# Altium PCB 测试板2.PcbDoc (part 2 of 2)
Units mm, origin at the board's own origin, x right, y up, seen from the top; angles counter-clockwise.
Board outline 90 x 100 mm, 2 copper layers (Top Layer, Bottom Layer); 63 components, 149 nets, 429 pads, 115 vias.
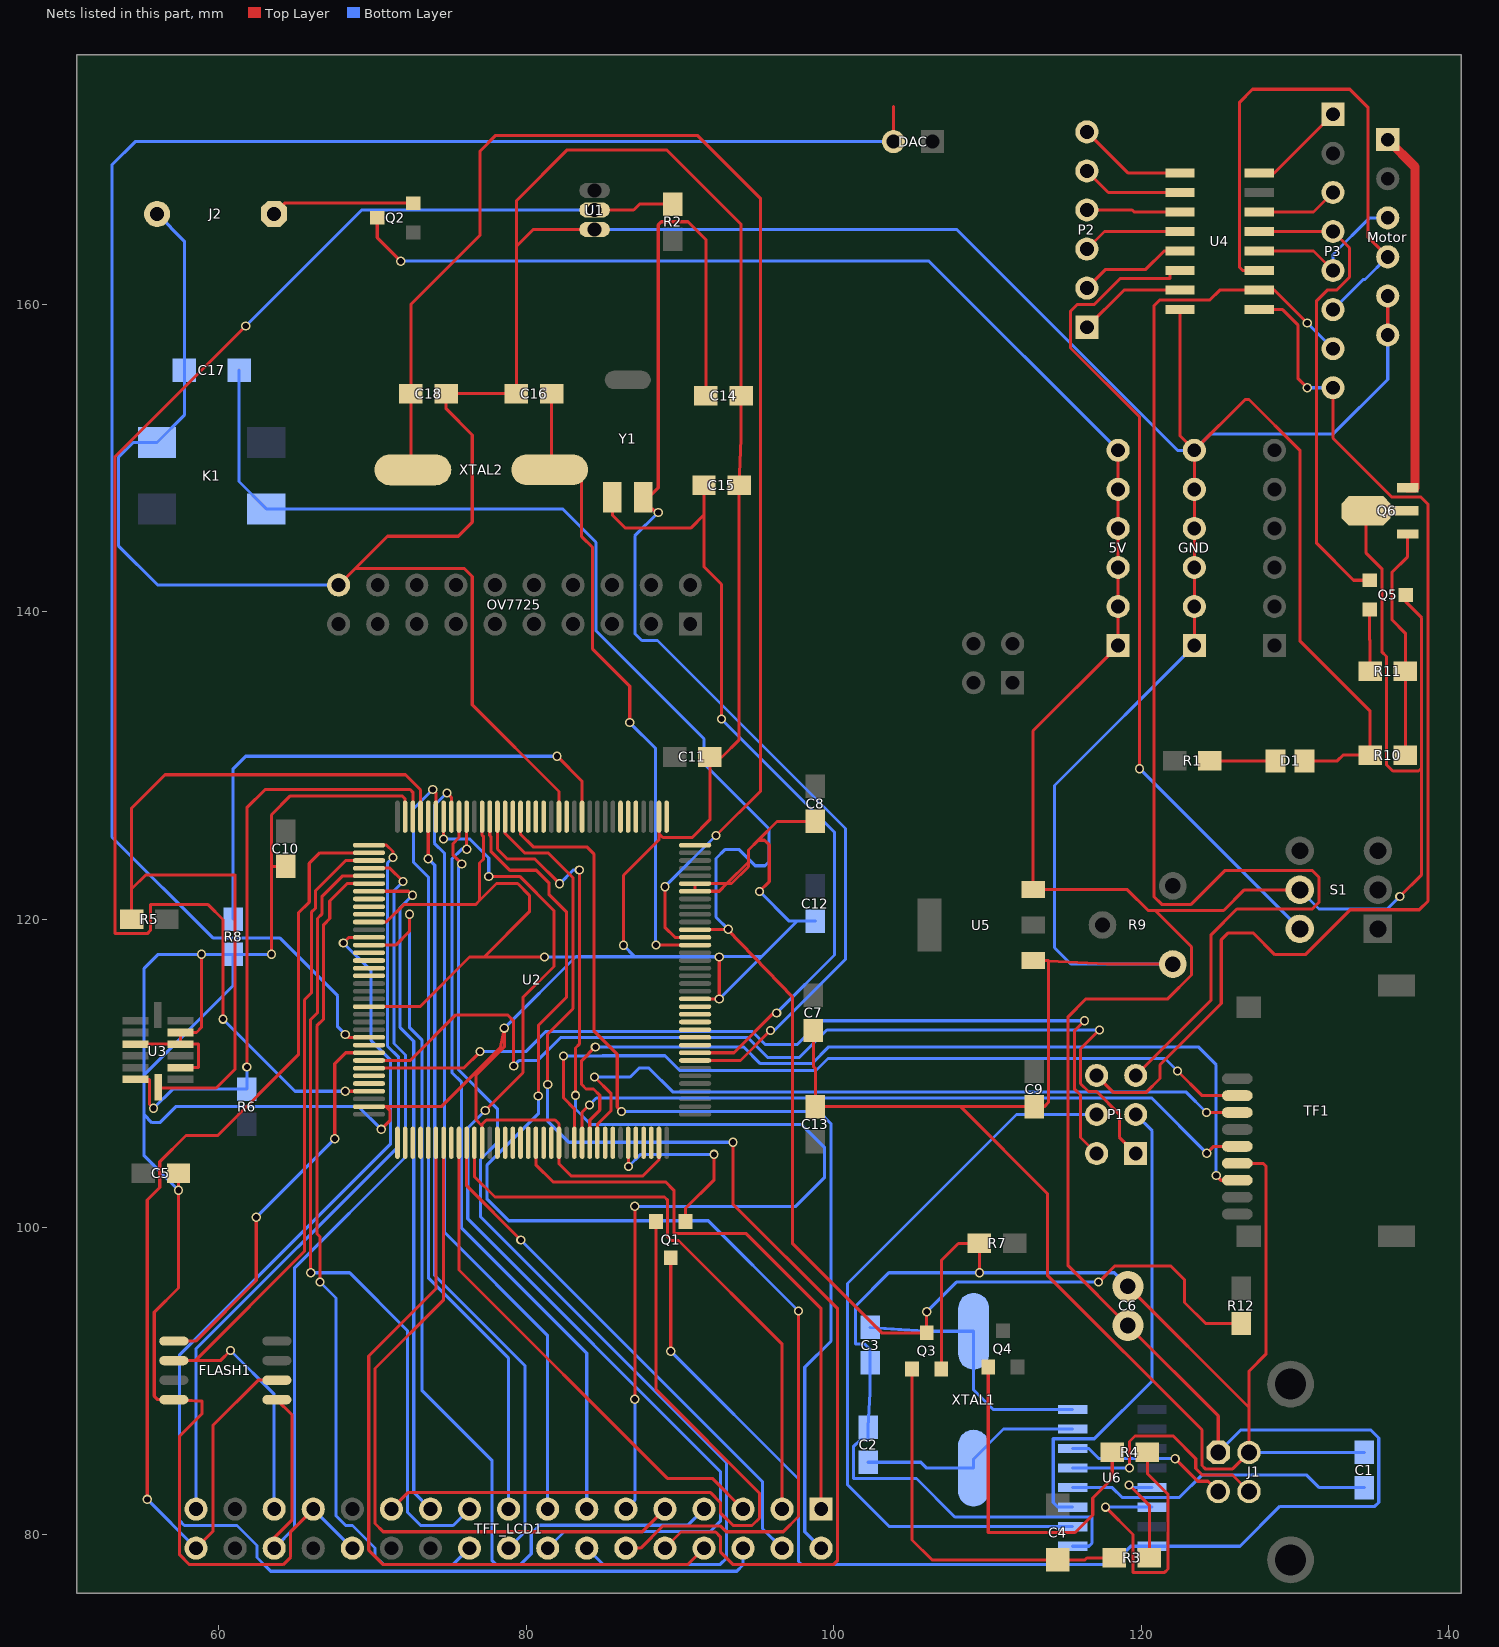
[diagram p2: the nets of this part, all layers, seen from the top]

## Via types
v1: diameter 0.6, hole 0.4, Top Layer to Bottom Layer, 112 vias
v2: diameter 1, hole 1, Top Layer to Bottom Layer, 2 vias
v3: diameter 0.7, hole 0.5, Top Layer to Bottom Layer, 1 vias

## Nets (pads, with @x,y where several pads share a name; then routed paths per layer and width w, separated by ;. In a path a pad name is that pad's centre, name@x,y a point inside that pad or via, vN(x,y) a via of type N, cw(c..) or ccw(c..) an arc to the next point about the centre after c; other vN are vias at no path point) (continued)
DGND: C1.2 C2.1 C3.1 C5.1 C6.2 C7.1 C8.1 C9.1 C10.1 C11.1 C12.1 C13.1 C14.1 C15.1 C16.1 C17.1 C18.1 D1.2 FLASH1.4 GND.1 GND.2 GND.3 GND.4 GND.5 GND.6 J1.4 J2.2 K1.4 Motor.5 Motor.6 OV7725.20 Q3.2 R7.1 R8.1 R9.3 R10.1 TF1.6 TFT_LCD1.26 TFT_LCD1.27 U1.1 U2.16 U2.30 U2.31 U2.38 U2.51 U2.61 U2.71 U2.83 U2.94 U2.107 U2.120 U2.130 U2.143 U3.2 U3.4 U3.5 U3.10 U4.8 U5.1 U6.1 | length 777.7
  Top Layer w0.2: U3.10@54.61,111.887 U3.4@57.531,111.887 ; C5.1@57.404,103.505 v1(57.404,102.387) 57.404,96.037 55.829,94.463 55.829,89.002 56.058,88.773 FLASH1.4@57.102,88.773 58.928,88.671 58.928,87.859 57.48,86.411 57.48,78.689 58.115,78.054 64.211,78.054 64.694,78.537 64.694,80.188 TFT_LCD1.27@66.167,81.661 ; U3.2@57.531,110.363 58.699,110.363 58.699,111.887 U3.4@57.531,111.887 ; v1(58.903,117.729) 58.903,112.979 58.572,112.649 U3.5@57.531,112.649 U3.4@57.531,111.887 ; v1(63.449,117.729) 63.449,123.444 ; C10.1@64.389,123.444 63.449,123.444 ; OV7725.20@67.818,141.732 68.885,142.799 ; U2.107@69.791,107.828 70.917,107.828 ; U2.94@69.791,114.328 73.101,114.328 76.324,117.551 77.279,117.551 ; U2.83@69.791,119.828 70.917,119.828 72.049,120.96 76.713,120.96 76.975,121.222 ; v1(70.587,106.35) 71.145,106.909 71.145,107.599 70.917,107.828 ; U2.71@72.141,126.678 72.141,127.82 71.933,128.028 64.68,128.028 63.449,126.797 63.449,123.444 ; U2.120@77.141,105.478 77.141,106.571 ; U2.61@77.141,126.678 77.141,125.476 77.241,125.376 77.241,123.926 76.975,123.66 76.975,121.222 ; v1(81.204,117.551) 77.279,117.551 ; U2.51@82.141,126.678 82.141,128.316 76.505,133.952 76.505,142.291 75.997,142.799 68.885,142.799 ; U1.1@84.455,164.846 80.467,164.846 79.375,163.754 ; v1(86.335,118.313) 86.335,122.865 88.641,125.171 88.641,125.578 ; U2.143@88.641,105.478 88.641,104.364 87.605,103.328 82.928,103.328 82.141,104.115 U2.130@82.141,105.478 82.141,106.708 81.89,106.959 77.419,106.959 77.141,106.681 77.141,106.571 ; U2.38@88.641,126.678 88.641,125.578 ; U2.16@90.991,114.828 v1(92.558,114.828) v1(92.558,117.551) ; v1(95.174,121.818) 95.809,122.453 95.809,124.841 95.504,125.146 95.098,125.146 ; C7.1@98.679,112.776 98.679,110.439 98.806,110.312 C13.1@98.806,107.823 105.918,107.823 108.255,107.823 ; C8.1@98.806,126.365 96.317,126.365 95.098,125.146 ; Q3.2@106.995,90.773 106.995,97.826 108.102,98.933 R7.1@109.474,98.933 v1(109.474,97.028) ; C6.2@119.126,96.139 127,88.265 ; R9.3@122.047,117.094 117.766,117.094 113.97,117.284 ; U4.8@122.52,159.639 122.52,151.419 GND.6@123.444,150.495 ; GND.1@123.444,137.795 GND.2@123.444,140.335 GND.3@123.444,142.875 GND.4@123.444,145.415 GND.5@123.444,147.955 GND.6@123.444,150.495 ; TF1.6@126.238,104.142 127.914,104.142 128.092,103.964 128.092,91.719 127,90.627 127,88.265 ; D1.2@130.617,130.302 132.74,130.302 133.121,130.683 R10.1@134.874,130.683 134.874,133.528 130.327,138.074 130.327,150.47 127,153.797 126.746,153.797 GND.6@123.444,150.495 ; Motor.6@136.017,157.988 Motor.5@136.017,160.528 ; 68.885,142.799 70.993,144.907 75.59,144.907 76.505,145.821 76.505,151.486 74.803,153.187 C18.1@74.803,154.178 C16.1@79.375,154.178 79.375,163.754 ; 70.917,107.828 74.494,107.828 78.354,111.688 v1(78.588,112.928) 78.588,111.709 76.743,109.865 76.743,106.969 77.141,106.571 ; 76.975,121.222 78.08,122.326 79.456,122.326 80.216,121.566 80.216,120.489 77.279,117.551 ; 79.375,163.754 79.375,166.726 82.677,170.028 89.129,170.028 93.98,165.176 C14.1@93.98,154.051 93.98,151.257 C15.1@93.853,148.209 93.853,131.674 92.735,130.556 C11.1@91.948,130.556 91.948,126.467 90.805,125.324 88.895,125.324 88.641,125.578 ; 93.058,122.328 92.558,121.828 U2.30@90.991,121.828 U2.31@90.991,122.328 93.058,122.328 ; 93.058,122.328 94.463,123.733 ; 93.058,122.328 93.36,122.328 94.463,123.43 94.463,123.733 ; 94.463,123.733 94.463,124.511 95.098,125.146 ; 108.255,107.823 113.894,102.184 113.894,96.862 123.938,86.817 123.938,84.499 124.155,84.282 125.938,84.282 J1.4@127,85.344 127,88.265 ; 108.255,107.823 C9.1@113.03,107.823 113.69,107.823 113.97,108.102 113.97,117.284 ; 113.97,117.284 U5.1@112.976,117.334 113.97,117.334 113.97,117.284
  Bottom Layer w0.2: J2.2@56.017,165.862 57.785,164.094 C17.1@57.785,155.702 57.785,152.781 K1.4@56.007,151.003 54.458,151.003 53.492,150.038 53.492,144.297 56.058,141.732 OV7725.20@67.818,141.732 ; v1(57.404,102.387) 55.169,104.623 55.169,107.29 ; v1(63.449,117.729) R8.1@60.96,117.729 ; TFT_LCD1.27@66.167,81.661 TFT_LCD1.26@68.707,79.121 ; v1(70.587,106.35) 69.113,107.823 57.226,107.823 56.185,106.782 55.677,106.782 55.169,107.29 ; v1(78.588,112.928) 83.21,117.551 ; v1(81.204,117.551) 83.21,117.551 ; U1.1@84.455,164.846 108.001,164.846 122.352,150.495 GND.6@123.444,150.495 124.511,151.562 132.486,151.562 136.017,155.092 Motor.6@136.017,157.988 ; v1(86.335,118.313) 87.071,117.577 ; v1(92.558,114.828) 95.306,117.577 ; v1(92.558,117.551) 83.21,117.551 ; v1(95.174,121.818) 97.104,119.888 97.618,119.888 ; C12.1@98.806,119.888 97.618,119.888 ; U6.1@115.535,79.248 116.586,79.248 116.789,79.451 116.789,81.153 107.874,81.153 105.38,83.647 101.3,83.647 101.3,85.75 101.706,86.157 102.235,86.157 C2.1@102.235,86.995 102.362,89.23 C3.1@102.362,91.186 102.362,92.05 102.006,92.405 101.427,92.405 101.427,94.869 103.586,97.028 v1(109.474,97.028) 118.237,97.028 C6.2@119.126,96.139 ; R9.3@122.047,117.094 115.418,117.094 114.351,118.161 114.351,128.702 GND.1@123.444,137.795 ; J1.4@127,85.344 C1.2@134.493,85.344 ; 55.169,107.29 55.169,109.906 ; 55.169,109.906 60.96,115.697 R8.1@60.96,117.729 ; 55.169,109.906 55.169,116.815 56.083,117.729 v1(58.903,117.729) R8.1@60.96,117.729 ; 83.21,117.551 83.236,117.577 87.071,117.577 ; 87.071,117.577 92.558,117.577 95.306,117.577 ; 95.306,117.577 97.618,119.888
DS18B20_DATA: R2.2 U1.2 U2.105 | length 101.1
  Top Layer w0.2: v1(60.3,113.513) 60.3,119.99 59.334,120.955 55.575,120.955 55.575,119.278 55.372,119.075 53.289,119.075 53.289,150.089 v1(61.773,158.572) ; v1(68.25,108.828) U2.105@69.791,108.828 ; U1.2@84.455,166.116 86.995,166.116 87.376,166.497 R2.2@89.535,166.497
  Bottom Layer w0.2: v1(60.3,113.513) 64.984,108.828 v1(68.25,108.828) ; v1(61.773,158.572) 69.317,166.116 U1.2@84.455,166.116
DTR: R3.2 U6.13 | length 6.9
  Top Layer w0.2: v1(119.202,83.236) 120.523,81.915 R3.2@120.523,78.486
  Bottom Layer w0.2: v1(119.202,83.236) 119.38,83.058 U6.13@120.685,83.058
FLASH_CS: FLASH1.1 U2.100 | length 25.7
  Top Layer w0.2: FLASH1.1@57.102,92.583 58.522,92.583 62.459,96.52 v1(62.459,100.635) ; v1(67.564,105.74) 67.564,110.617 68.275,111.328 U2.100@69.791,111.328
  Bottom Layer w0.2: v1(62.459,100.635) v1(67.564,105.74)
FSMC_A0: U2.10
FSMC_A1: U2.11
FSMC_A2: U2.12
FSMC_A3: U2.13
FSMC_A4: U2.14
FSMC_A5: U2.15
FSMC_A6: U2.50
FSMC_A7: U2.53
FSMC_A8: U2.54
FSMC_A9: U2.55
FSMC_A10: TFT_LCD1.2 U2.56 | length 66.6
  Top Layer w0.2: U2.56@79.641,126.678 79.641,125.53 80.458,124.713 83.948,124.713 84.404,124.257 84.404,112.751 85.931,111.224 85.931,107.795 v1(86.208,107.518)
  Bottom Layer w0.2: v1(86.208,107.518) 99.022,107.518 99.822,106.718 99.822,92.583 98.12,90.881 98.12,80.188 TFT_LCD1.2@99.187,79.121
FSMC_A11: U2.57
FSMC_A12: U2.87
FSMC_A13: U2.88
FSMC_A14: U2.89
FSMC_A15: U2.90
FSMC_A16: U2.80
FSMC_A17: U2.81
FSMC_A18: U2.82
FSMC_CLK: TFT_LCD1.5 U2.117 | length 33.2
  Top Layer w0.2: U2.117@75.641,105.478 75.641,97.206 89.183,83.664 92.104,83.664 TFT_LCD1.5@94.107,81.661
FSMC_D0: TFT_LCD1.6 U2.85 | length 86
  Top Layer w0.2: v1(68.123,118.466) 68.485,118.828 U2.85@69.791,118.828
  Bottom Layer w0.2: v1(68.123,118.466) 69.926,116.662 69.926,112.116 71.196,110.846 71.196,105.41 57.48,91.694 57.48,80.899 57.785,80.594 61.214,80.594 62.509,79.299 62.509,78.511 63.398,77.622 93.701,77.622 94.107,78.029 TFT_LCD1.6@94.107,79.121
FSMC_D1: TFT_LCD1.7 U2.86 | length 64.5
  Top Layer w0.2: U2.86@69.791,118.328 71.526,118.328 72.415,119.217 v1(72.415,120.331)
  Bottom Layer w0.2: v1(72.415,120.331) 72.412,120.328 72.412,112.982 73.228,112.166 73.228,89.383 77.8,84.811 77.8,78.3 78.029,78.071 79.654,78.071 80.34,78.757 80.34,80.078 80.874,80.611 90.517,80.611 TFT_LCD1.7@91.567,81.661
FSMC_D2: TFT_LCD1.8 U2.114 | length 50.9
  Top Layer w0.2: U2.114@74.141,105.478 74.141,95.985 69.774,91.618 69.774,78.994 70.714,78.054 90.5,78.054 TFT_LCD1.8@91.567,79.121
FSMC_D3: TFT_LCD1.9 U2.115 | length 46.3
  Top Layer w0.2: U2.115@74.641,105.478 74.641,95.266 70.18,90.805 70.18,80.721 70.714,80.188 87.554,80.188 TFT_LCD1.9@89.027,81.661
FSMC_D4: TFT_LCD1.10 U2.58 | length 79
  Top Layer w0.2: U2.58@78.641,126.678 78.641,125.578 79.906,124.313 81.451,124.313 83.058,122.706 83.058,114.198 81.407,112.547 v1(81.407,109.271) ; TFT_LCD1.10@89.027,79.121 90.077,80.171 92.329,80.171 92.634,79.866 92.634,78.892 93.472,78.054 99.974,78.054 100.254,78.334 100.254,94.684 93.447,101.491 v1(93.447,105.512)
  Bottom Layer w0.2: v1(81.407,109.271) 81.407,106.883 82.779,105.512 v1(93.447,105.512)
FSMC_D5: TFT_LCD1.11 U2.59 | length 76.6
  Top Layer w0.2: U2.59@78.141,126.678 78.141,124.562 78.791,123.913 80.583,123.913 v1(82.182,122.314) ; v1(83.21,108.56) 83.21,111.633 83.464,111.887 v1(83.464,123.215) ; v1(87.071,88.798) v1(87.071,101.346)
  Bottom Layer w0.2: v1(82.182,122.314) 83.083,123.215 v1(83.464,123.215) ; v1(83.21,108.56) 83.21,107.671 84.226,106.655 97.917,106.655 99.416,105.156 99.416,103.226 97.536,101.346 v1(87.071,101.346) ; TFT_LCD1.11@86.487,81.661 87.071,82.245 v1(87.071,88.798)
FSMC_D6: TFT_LCD1.12 U2.60 | length 79.1
  Top Layer w0.2: U2.60@77.641,126.678 77.641,125.451 77.711,125.38 77.711,124.427 78.944,123.193 80.668,123.193 81.503,122.358 81.503,121.602 82.641,120.464 82.641,114.95 80.797,113.106 v1(80.797,108.509) ; TFT_LCD1.12@86.487,79.121 87.452,79.121 88.902,80.571 92.634,80.571 93.017,80.188 96.723,80.188 97.714,81.178 v1(97.714,94.539)
  Bottom Layer w0.2: v1(80.797,108.509) 80.797,107.366 77.47,104.038 77.47,101.803 78.867,100.406 91.846,100.406 v1(97.714,94.539)
FSMC_D7: TFT_LCD1.13 U2.63 | length 49.2
  Top Layer w0.2: v1(76.141,124.562) U2.63@76.141,126.678
  Bottom Layer w0.2: v1(76.141,124.562) 75.822,124.562 75.18,123.92 75.18,110.049 75.794,109.435 75.794,99.949 83.947,91.796 TFT_LCD1.13@83.947,81.661
FSMC_D8: TFT_LCD1.14 U2.64 | length 66.5
  Top Layer w0.2: U2.64@75.641,126.678 75.641,125.318 75.258,124.935 75.258,124.168 v1(75.819,123.607)
  Bottom Layer w0.2: v1(75.819,123.607) 75.612,123.4 75.612,110.214 78.13,107.696 78.13,105.486 77.038,104.394 77.038,100.66 93.04,84.658 93.04,78.477 92.634,78.071 84.997,78.071 TFT_LCD1.14@83.947,79.121
FSMC_D9: TFT_LCD1.15 U2.65 | length 51.6
  Top Layer w0.2: v1(74.854,128.219) 75.141,127.932 U2.65@75.141,126.678
  Bottom Layer w0.2: v1(74.854,128.219) 74.041,127.406 74.041,124.952 74.693,124.3 74.693,99.654 81.407,92.94 TFT_LCD1.15@81.407,81.661
FSMC_D10: TFT_LCD1.16 U2.66 | length 72
  Top Layer w0.2: v1(74.641,125.222) U2.66@74.641,126.678 ; v1(77.343,107.569) 79.807,110.033 79.807,114.935 81.813,116.942 81.813,120.565 79.585,122.793 v1(77.575,122.793)
  Bottom Layer w0.2: v1(74.641,125.222) 76.343,125.222 77.575,123.99 v1(77.575,122.793) ; v1(77.343,107.569) 76.21,106.436 76.21,100.531 92.634,84.107 92.634,80.874 91.971,80.211 82.497,80.211 TFT_LCD1.16@81.407,79.121
FSMC_D11: TFT_LCD1.17 U2.67 | length 51.7
  Top Layer w0.2: v1(73.939,128.448) 74.141,128.246 U2.67@74.141,126.678
  Bottom Layer w0.2: v1(73.939,128.448) 72.679,127.187 72.679,123.708 73.666,122.721 73.666,96.667 78.867,91.465 TFT_LCD1.17@78.867,81.661
FSMC_D12: TFT_LCD1.18 U2.68 | length 50.6
  Top Layer w0.2: v1(73.641,123.946) U2.68@73.641,126.678
  Bottom Layer w0.2: v1(73.641,123.946) 74.066,123.521 74.066,96.851 79.934,90.983 79.934,80.188 TFT_LCD1.18@78.867,79.121
FSMC_D13: TFT_LCD1.19 U2.77 | length 52.9
  Top Layer w0.2: v1(66,97.028) 66,113.487 66.441,113.928 66.441,120.056 66.726,120.34 66.726,121.478 68.076,122.828 U2.77@69.791,122.828
  Bottom Layer w0.2: v1(66,97.028) 68.529,97.028 72.297,93.26 72.297,81.449 73.152,80.594 75.26,80.594 TFT_LCD1.19@76.327,81.661
FSMC_D14: TFT_LCD1.20 U2.78 | length 54.6
  Top Layer w0.2: v1(66.604,96.424) 66.604,99.374 66.4,99.578 66.4,113.08 66.841,113.52 66.841,119.656 67.241,120.056 67.241,121.194 68.375,122.328 U2.78@69.791,122.328
  Bottom Layer w0.2: v1(66.604,96.424) 67.64,95.388 67.64,81.229 68.275,80.594 68.719,80.594 70.18,79.133 70.18,78.604 70.714,78.071 75.277,78.071 TFT_LCD1.20@76.327,79.121
FSMC_D15: TFT_LCD1.21 U2.79 | length 44
  Top Layer w0.2: U2.79@69.791,121.828 72.355,121.828 v1(72.619,121.564)
  Bottom Layer w0.2: v1(72.619,121.564) 71.815,120.761 71.815,112.96 72.697,112.079 72.697,82.751 TFT_LCD1.21@73.787,81.661
FSMC_NBL0: U2.141
FSMC_NBL1: U2.142
FSMC_NCE4: U2.125
FSMC_NE4: TFT_LCD1.1 U2.127 | length 38.5
  Top Layer w0.2: U2.127@80.641,105.478 80.641,104.038 81.759,102.921 89.082,102.921 89.608,102.395 89.608,99.587 94.285,99.587 99.187,94.685 TFT_LCD1.1@99.187,81.661
FSMC_NOE: TFT_LCD1.4 U2.118 | length 34.9
  Top Layer w0.2: U2.118@76.141,105.478 76.141,102.674 v1(79.662,99.153)
  Bottom Layer w0.2: v1(79.662,99.153) 95.377,83.438 95.377,80.391 TFT_LCD1.4@96.647,79.121
FSMC_NWE: TFT_LCD1.3 U2.119 | length 38.8
  Top Layer w0.2: U2.119@76.641,105.478 76.641,103.282 77.977,101.946 89.002,101.946 89.208,101.74 89.208,99.365 89.452,99.121 89.906,99.121 96.647,92.38 TFT_LCD1.3@96.647,81.661
GPIO_OUT_0: U2.109
GPIO_OUT_1: U2.110
GPIO_OUT_2: U2.140
GPIO_OUT_3: U2.113
GPIO_OUT_4: U2.116
GPIO_OUT_5: U2.122
GPIO_OUT_6: U2.123
GPIO_OUT_7: U2.124
GPIO_OUT_8: U2.126
GPIO_OUT_9: U2.128
GPIO_OUT_10: U2.129
IIC1_SCL: U2.136
IIC1_SDA: U2.137
IIC2_SCL: R5.2 U2.69 U3.14 | length 54.3
  Top Layer w0.2: R5.2@54.356,120.015 54.356,121.971 ; U3.14@56.085,109.09 56.085,109.042 59.853,109.042 61.087,110.276 61.087,122.86 61.062,122.885 55.27,122.885 54.356,121.971 ; U2.69@73.141,126.678 73.141,128.422 72.16,129.403 56.531,129.403 54.356,127.229 54.356,121.971
IIC2_SDA: R6.2 U2.70 U3.13 | length 40.7
  Top Layer w0.2: U3.13@54.61,109.601 55.524,109.601 55.524,107.975 v1(55.778,107.721) ; v1(61.849,110.405) 61.849,127.254 63.043,128.448 72.466,128.448 72.641,128.273 U2.70@72.641,126.678
  Bottom Layer w0.2: v1(55.778,107.721) 57.023,108.966 R6.2@61.849,108.966 v1(61.849,110.405)
INT0: Motor.4 P3.6 U4.11 | length 36.5
  Top Layer w0.2: U4.11@127.67,162.179 126.594,162.179 126.39,162.382 126.39,173.126 127.229,173.965 133.553,173.965 134.747,172.771 134.747,164.338 Motor.4@136.017,163.068
  Bottom Layer w0.2: P3.6@132.461,159.639 134.417,161.595 134.544,161.595 Motor.4@136.017,163.068
INT1: Motor.3 P3.5 U4.12 | length 10.9
  Top Layer w0.2: U4.12@127.67,163.449 131.191,163.449 P3.5@132.461,162.179
  Bottom Layer w0.2: P3.5@132.461,162.179 132.461,163.22 134.849,165.608 Motor.3@136.017,165.608
LCD_BK: Q1.2 TFT_LCD1.23 | length 47.9
  Top Layer w0.2: TFT_LCD1.23@71.247,81.661 72.314,82.728 91.999,82.728 92.634,82.093 92.634,81.432 93.472,80.594 94.691,80.594 95.174,81.077 95.174,82.702 88.458,89.418 Q1.2@88.458,100.362
LCD_LED: Q1.1 U2.139 | length 12.6
  Top Layer w0.2: U2.139@86.641,105.478 86.665,105.454 v1(86.665,103.937) ; Q1.1@90.358,100.362 90.358,101.204 92.227,103.073 v1(92.227,104.724)
  Bottom Layer w0.2: v1(86.665,103.937) 87.452,104.724 v1(92.227,104.724)
MOTOR_PWM: P3.4 Q5.1 U4.13 | length 31.2
  Top Layer w0.2: U4.13@127.67,164.719 P3.4@132.461,164.719 133.528,163.652 133.528,161.747 132.69,160.909 132.08,160.909 131.394,160.223 131.394,144.45 133.797,142.047 Q5.1@134.842,142.047
NetC1_1: C1.1 U6.4 | length 20.2
  Bottom Layer w0.2: U6.4@115.535,83.058 118.11,83.058 118.745,82.423 122.479,82.423 123.927,83.871 130.759,83.871 131.572,83.058 C1.1@134.493,83.058
NetC4_2: C4.2 Q3.1 R3.1 | length 24.8
  Top Layer w0.2: Q3.1@105.095,90.773 105.095,79.654 106.39,78.359 C4.2@114.554,78.359 116.332,78.359 116.459,78.486 R3.1@118.237,78.486
NetCH1_5: J1.3 U6.5 | length 15.2
  Top Layer w0.2: v1(119.228,84.328) 119.228,86.055 119.583,86.411 122.072,86.411 123.538,84.945 123.538,84.296 123.952,83.882 125.922,83.882 J1.3@127,82.804
  Bottom Layer w0.2: U6.5@115.535,84.328 v1(119.228,84.328)
NetCH1_6: J1.2 U6.6 | length 10.6
  Top Layer w0.2: v1(122.199,84.938) 123.666,83.471 124.333,83.471 J1.2@125,82.804
  Bottom Layer w0.2: U6.6@115.535,85.598 116.586,85.598 117.246,84.938 v1(122.199,84.938)
NetD1_1: D1.1 R1.2 | length 4.3
  Top Layer w0.2: R1.2@124.46,130.302 D1.1@128.717,130.302
NetJ2_1: J2.1 Q2.2 | length 9.3
  Top Layer w0.2: J2.1@63.617,165.862 64.313,166.558 Q2.2@72.676,166.558
NetP2_1: P2.1 U4.7 | length 7.1
  Top Layer w0.2: P2.1@116.459,158.496 118.872,160.909 U4.7@122.52,160.909
NetP2_2: P2.2 U4.5 | length 7.1
  Top Layer w0.2: P2.2@116.459,161.036 117.678,162.255 120.294,162.255 121.488,163.449 U4.5@122.52,163.449
NetP2_3: P2.3 U4.4 | length 6.5
  Top Layer w0.2: P2.3@116.459,163.576 117.602,164.719 U4.4@122.52,164.719
NetP2_4: P2.4 U4.3 | length 6.1
  Top Layer w0.2: P2.4@116.459,166.116 119.405,166.116 119.532,165.989 U4.3@122.52,165.989
NetP2_5: P2.5 U4.2 | length 6.6
  Top Layer w0.2: P2.5@116.459,168.656 117.856,167.259 U4.2@122.52,167.259
NetP2_6: P2.6 U4.1 | length 7.2
  Top Layer w0.2: P2.6@116.459,171.196 119.126,168.529 U4.1@122.52,168.529
NetP3_1: P3.1 U4.16 | length 6.4
  Top Layer w0.2: U4.16@127.67,168.529 128.651,168.529 P3.1@132.461,172.339
NetP3_3: P3.3 U4.14 | length 5.3
  Top Layer w0.2: U4.14@127.67,165.989 131.191,165.989 P3.3@132.461,167.259
NetP4_1: Motor.1 Q6.3 | length 23.9
  Top Layer w0.6: Motor.1@136.017,170.688 137.795,168.91 137.795,148.058 Q6.3@137.309,148.058
NetQ4_1: Q4.1 R4.1 | length 22.6
  Top Layer w0.2: Q4.1@110.048,90.9 110.048,80.147 110.058,80.137 115.7,80.137 116.843,81.28 116.843,82.388 118.11,83.655 R4.1@118.11,85.344
NetQ5_2: Q5.2 R11.1 | length 4
  Top Layer w0.2: Q5.2@134.842,140.147 134.842,138.157 134.874,138.125 R11.1@134.874,136.144
NetQ6_1: Q6.1 R10.2 R11.2 | length 15.2
  Top Layer w0.2: R10.2@137.16,130.683 R11.2@137.16,136.144 137.16,138.608 136.296,139.471 136.296,142.57 137.309,143.583 Q6.1@137.309,145.058
NetR8_2: R8.2 U2.48 | length 35.8
  Top Layer w0.2: v1(82.019,130.603) 83.641,128.981 U2.48@83.641,126.678
  Bottom Layer w0.2: R8.2@60.96,120.015 60.96,129.791 61.773,130.603 v1(82.019,130.603)
NetS1_2: S1.6 U4.6 | length 54.9
  Top Layer w0.2: v1(119.888,129.794) 119.888,152.654 115.392,157.15 115.392,159.537 115.824,159.969 116.942,159.969 118.643,161.671 121.869,161.671 121.869,162.179 U4.6@122.52,162.179
  Bottom Layer w0.2: v1(119.888,129.794) S1.6@130.302,119.38
NRST: C17.2 K1.2 Q3.3 R12.1 U2.25 | length 127.5
  Top Layer w0.2: U2.25@90.991,119.328 v1@93.115,119.328 ; v1(93.142,119.355) v1@93.115,119.328 ; v1(106.045,94.488) Q3.3@106.045,93.123 103.124,93.123 97.333,98.914 97.333,114.937 v1@93.115,119.328 ; v1(117.221,96.418) 118.262,97.46 121.92,97.46 122.809,96.571 122.809,95.098 124.181,93.726 R12.1@126.492,93.726
  Bottom Layer w0.2: C17.2@61.341,155.702 61.341,148.463 K1.2@63.119,146.685 82.372,146.685 84.548,144.509 84.548,138.757 91.567,131.738 91.567,130.124 95.799,125.892 95.799,123.749 95.537,123.487 94.902,123.487 93.836,124.553 92.955,124.553 92.354,123.952 92.354,120.142 v1(93.142,119.355) ; v1(106.045,94.488) 107.975,96.418 v1(117.221,96.418)
OSC32_IN: C14.2 U2.8 Y1.1 | length 82.4
  Top Layer w0.2: v1(88.595,146.456) 88.443,146.456 88.214,146.685 87.614,146.685 Y1.1@87.614,147.447 87.614,147.451 87.99,147.451 88.595,148.057 88.595,165.151 88.798,165.354 90.526,165.354 91.694,164.186 C14.2@91.694,154.051 ; U2.8@90.991,110.828 93.937,110.828 v1(95.885,112.776)
  Bottom Layer w0.2: v1(88.595,146.456) 87.071,144.932 87.071,138.582 87.528,138.125 88.544,138.125 100.762,125.908 100.762,117.401 96.123,112.762 95.885,112.762 v1(95.885,112.776)
OSC32_OUT: C15.2 U2.9 Y1.2 | length 53.6
  Top Layer w0.2: Y1.2@85.614,147.447 85.614,146.29 86.469,145.435 90.698,145.435 91.567,146.304 ; U2.9@90.991,111.328 93.515,111.328 96.109,113.922 v1(96.291,113.922) ; C15.2@91.567,148.209 91.567,146.304 ; v1(92.71,133.02) 92.71,141.783 91.567,142.926 91.567,146.304
  Bottom Layer w0.2: v1(92.71,133.02) 100.057,125.672 100.057,117.688 v1(96.291,113.922)
OSC_IN: C16.2 U2.23 XTAL2.2 | length 42.5
  Top Layer w0.2: XTAL2.2@81.539,149.229 XTAL2.2@81.661,149.229 ; C16.2@81.661,154.178 XTAL2.2@81.661,149.229 ; v1(86.741,132.791) 86.741,135.153 84.328,137.566 84.328,144.17 83.617,144.882 83.617,149.229 XTAL2.2@81.661,149.229 ; v1(88.443,118.328) U2.23@90.991,118.328
  Bottom Layer w0.2: v1(86.741,132.791) 88.427,131.105 88.427,118.344 v1(88.443,118.328)
OSC_OUT: C18.2 U2.24 XTAL2.1 | length 95.3
  Top Layer w0.2: XTAL2.1@72.639,149.221 72.517,149.221 C18.2@72.517,154.178 72.517,159.995 77.013,164.49 77.013,169.951 78.029,170.967 91.135,170.967 95.25,166.853 95.25,128.346 v1(92.354,125.451) ; v1(89.027,122.123) 89.027,119.482 89.681,118.828 U2.24@90.991,118.828
  Bottom Layer w0.2: v1(89.027,122.123) v1(92.354,125.451)
PWM1: DAC.2 U2.98 | length 120.7
  Top Layer w0.2: v1(68.25,112.522) 68.444,112.328 U2.98@69.791,112.328 ; DAC.2@103.886,170.561 103.886,172.847
  Bottom Layer w0.2: v1(68.25,112.522) 67.751,113.02 67.751,115.027 63.983,118.796 59.639,118.796 53.086,125.349 53.086,169.062 54.585,170.561 DAC.2@103.886,170.561
PWM2: U2.99
RTS: R4.2 U6.14 | length 18.5
  Top Layer w0.2: v1(117.678,81.788) 119.461,80.005 119.461,77.551 121.514,77.551 121.729,77.767 121.729,82.626 120.396,83.96 R4.2@120.396,85.344
  Bottom Layer w0.2: v1(117.678,81.788) U6.14@120.685,81.788
SPI1_CSK: U2.41
SPI1_MISO: U2.42
SPI1_MOSI: U2.43
SPI2_MISO: FLASH1.2 TFT_LCD1.29 U2.75 | length 53.5
  Top Layer w0.2: FLASH1.2@57.102,91.313 58.496,91.313 ; v1(60.782,91.973) 60.122,91.313 58.496,91.313 ; U2.75@69.791,123.828 68.275,123.828 66.307,121.86 66.307,120.721 66.041,120.456 66.041,115.211 65.6,114.771 65.6,98.417 58.496,91.313
  Bottom Layer w0.2: v1(60.782,91.973) 63.627,89.129 TFT_LCD1.29@63.627,81.661
SPI2_MOSI: FLASH1.5 TFT_LCD1.30 U2.76 | length 60.6
  Top Layer w0.2: TFT_LCD1.30@63.627,79.121 63.627,79.807 64.795,80.975 64.795,87.78 FLASH1.5@63.802,88.773 ; U2.76@69.791,123.328 71.145,123.328 v1(72.009,122.464)
  Bottom Layer w0.2: TFT_LCD1.30@63.627,79.121 64.939,80.433 64.939,97.325 72.164,104.55 72.164,111.179 71.415,111.928 71.415,121.871 v1(72.009,122.464)
SPI2_SCK: FLASH1.6 TFT_LCD1.34 U2.74 | length 69.4
  Top Layer w0.2: v1(55.372,82.296) 55.372,101.752 56.185,102.565 56.185,104.242 57.897,105.953 59.962,105.953 65.2,111.192 65.2,120.415 65.907,121.121 65.907,123.641 66.594,124.328 U2.74@69.791,124.328 ; TFT_LCD1.34@58.547,79.121 59.637,80.211 59.637,87.094 62.586,90.043 FLASH1.6@63.802,90.043
  Bottom Layer w0.2: v1(55.372,82.296) TFT_LCD1.34@58.547,79.121
STC15_RXD: P1.6 P3.8 U4.9 | length 77.2
  Top Layer w0.2: P1.6@117.094,109.855 118.212,108.737 120.294,108.737 121.209,109.652 121.209,110.541 125.197,114.529 125.197,118.669 125.654,119.126 127.254,119.126 128.676,117.704 130.658,117.704 133.579,120.625 138.074,120.625 138.633,121.183 138.633,146.99 138.176,147.447 136.296,147.447 132.461,151.282 P3.8@132.461,154.559 ; U4.9@127.67,159.639 129.184,159.639 130.175,158.648 130.175,155.169 v1(130.785,154.559)
  Bottom Layer w0.2: v1(130.785,154.559) P3.8@132.461,154.559
STC15_TXD: P1.5 P3.7 U4.10 | length 84.8
  Top Layer w0.2: P1.5@119.634,109.855 124.536,114.757 124.536,118.999 126.213,120.675 131.115,120.675 131.547,121.107 131.547,122.733 131.089,123.19 125.457,123.19 123.241,120.974 121.317,120.974 120.828,121.463 120.828,159.893 121.209,160.274 124.46,160.274 125.095,160.909 U4.10@127.67,160.909 128.651,160.909 v1(130.785,158.775)
  Bottom Layer w0.2: v1(130.785,158.775) P3.7@132.461,157.099
STM32_RXD: P1.2 U2.102 | length 58
  Top Layer w0.2: U2.102@69.791,110.328 75.936,110.328 v1(77.013,111.404) ; v1(116.307,113.411) 115.644,112.748 115.644,108.985 116.044,108.585 116.044,105.825 P1.2@117.094,104.775
  Bottom Layer w0.2: v1(77.013,111.404) 79.985,111.404 81.299,112.719 94.691,112.719 95.548,111.862 97.638,111.862 99.187,113.411 v1(116.307,113.411)
STM32_TXD: P1.1 U2.101 | length 64.2
  Top Layer w0.2: U2.101@69.791,110.828 72.474,110.828 75.438,113.792 78.791,113.792 79.197,113.386 v1(79.197,110.465) ; v1(117.272,112.811) 116.044,111.583 116.044,109.322 116.561,108.805 117.094,108.805 118.567,107.332 118.567,105.842 P1.1@119.634,104.775
  Bottom Layer w0.2: v1(79.197,110.465) 79.565,110.833 80.765,110.833 82.251,112.319 94.412,112.319 95.71,111.02 97.761,111.02 99.552,112.811 v1(117.272,112.811)
TF_CS: TF1.2 U2.132 | length 51.5
  Top Layer w0.2: v1(82.435,111.109) 82.435,108.402 83.141,107.696 U2.132@83.141,105.478 ; v1(122.353,110.141) 123.952,108.542 TF1.2@126.238,108.542
  Bottom Layer w0.2: v1(82.435,111.109) 84.941,111.109 84.966,111.134 89.03,111.134 89.984,110.18 98.851,110.18 99.625,110.954 121.54,110.954 v1(122.353,110.141)
TF_MISO: TF1.7 U2.134 | length 58.1
  Top Layer w0.2: U2.134@84.141,105.478 84.141,106.949 84.792,107.6 84.792,108.567 84.381,108.978 83.895,108.978 83.613,109.26 83.613,110.817 v1(84.505,111.709) ; v1(124.866,103.347) 125.171,103.042 TF1.7@126.238,103.042
  Bottom Layer w0.2: v1(84.505,111.709) 94.139,111.709 95.228,110.62 98.588,110.62 99.677,111.709 123.698,111.709 124.866,110.541 v1(124.866,103.347)
TF_MOSI: TF1.3 U2.135 | length 48.3
  Top Layer w0.2: v1(84.449,109.752) 85.531,108.669 85.531,107.57 84.641,106.68 U2.135@84.641,105.478 ; v1(124.231,107.442) TF1.3@126.238,107.442
  Bottom Layer w0.2: v1(84.449,109.752) 86.766,109.752 87.349,110.334 87.986,110.334 89.532,108.788 122.885,108.788 v1(124.231,107.442)
TF_SCK: TF1.5 U2.133 | length 46.6
  Top Layer w0.2: U2.133@83.641,105.478 83.641,107.455 v1(84.125,107.939) ; v1(124.257,104.8) 124.698,105.242 TF1.5@126.238,105.242
  Bottom Layer w0.2: v1(84.125,107.939) 84.568,108.382 120.675,108.382 v1(124.257,104.8)
TOUCH_CS: TFT_LCD1.33 U2.73 | length 50.4
  Top Layer w0.2: U2.73@69.791,124.828 70.93,124.828 71.349,124.409 v1(71.349,124.028)
  Bottom Layer w0.2: TFT_LCD1.33@58.547,81.661 58.547,92.089 71.715,105.258 71.715,111.038 70.993,111.76 70.993,123.673 v1(71.349,124.028)
USART1_RXD: P1.4 U6.2 | length 49.6
  Bottom Layer w0.2: U6.2@115.535,80.518 103.629,80.518 100.9,83.247 100.9,96.328 111.887,107.315 P1.4@117.094,107.315
USART1_TXD: P1.3 U6.3 | length 31.3
  Bottom Layer w0.2: U6.3@115.535,81.788 114.579,81.788 114.275,82.093 114.275,86.233 116.942,86.233 120.701,89.992 120.701,106.248 P1.3@119.634,107.315
USART2_RXD: U2.37
USART2_TXD: U2.36
USART3_RXD: U2.112
USART3_TXD: U2.111
USBDM: U2.103
USBDP: U2.104
VCC: 5V.1 5V.2 5V.3 5V.4 5V.5 5V.6 C6.1 J1.1 Q1.3 Q2.3 Q5.3 Q6.2 S1.5 U5.3 U6.16 | length 279.4
  Top Layer w0.2: Q2.3@70.326,165.608 70.326,164.319 v1(71.857,162.789) ; v1(89.408,91.923) Q1.3@89.408,98.012 ; 5V.6@118.491,150.495 5V.5@118.491,147.955 5V.4@118.491,145.415 5V.3@118.491,142.875 5V.2@118.491,140.335 5V.1@118.491,137.795 112.954,132.258 112.954,121.934 U5.3@112.976,121.934 119.087,121.934 120.447,120.574 120.904,120.574 ; J1.1@125,85.344 125,87.725 C6.1@119.126,93.599 115.244,97.481 115.244,113.674 116.404,114.833 121.717,114.833 123.266,116.383 123.266,118.212 120.904,120.574 ; S1.5@130.302,121.92 126.695,121.92 125.349,120.574 120.904,120.574 ; v1(136.804,121.488) 138.227,122.911 138.227,129.845 ; Q6.2@137.109,146.558 Q6.2@134.609,146.558 134.595,146.558 134.595,143.84 135.636,142.799 135.636,137.389 135.941,137.084 135.941,130.048 136.347,129.642 138.024,129.642 138.227,129.845 ; Q5.3@137.192,141.097 137.192,140.64 138.227,139.605 138.227,129.845
  Bottom Layer w0.2: v1(71.857,162.789) 106.197,162.789 5V.6@118.491,150.495 ; v1(89.408,91.923) 97.714,83.617 97.714,78.257 97.917,78.054 118.11,78.054 119.304,79.248 U6.16@120.685,79.248 126.416,79.248 129.007,81.839 135.179,81.839 135.433,82.093 135.433,86.284 134.925,86.792 126.448,86.792 J1.1@125,85.344 ; S1.5@130.302,121.92 131.547,120.675 135.992,120.675 v1(136.804,121.488)
XI: C2.2 U6.7 XTAL1.2 | length 14.9
  Bottom Layer w0.2: C2.2@102.235,84.709 105.664,84.709 106.05,84.323 XTAL1.2@109.089,84.323 109.089,84.912 111.044,86.868 U6.7@115.535,86.868
XO: C3.2 U6.8 XTAL1.1 | length 17.5
  Bottom Layer w0.2: C3.2@102.362,93.472 105.964,93.223 XTAL1.1@109.097,93.223 109.097,89.408 110.367,88.138 U6.8@115.535,88.138
pads on no net: J1.5 J1.6 K1.1 K1.3 OV7725.10 OV7725.18 P8.1 P8.2 P8.3 P8.4 S1.1 S1.2 S1.3 S1.4 TF1.1 TF1.8 TF1.9 TF1.10 TF1.11 TF1.12 TF1.13 TFT_LCD1.22 TFT_LCD1.28 TFT_LCD1.31 TFT_LCD1.32 U2.7 U2.106 U3.3 U3.8 U3.9 U3.11 U6.9 U6.10 U6.11 U6.12 U6.15 Y1.3
copper on no net:
  other v2: 136.992,102.512 136.992,110.492

## Polygon pours and split planes (outlines as drawn)
3.3V on Top Layer "Bottom Layer-No Net" (solid, pour order 8): 51.1,175.9 108.585,175.9 108.585,76.327 51.273,76.327 51.1,76.5
VCC on Top Layer "Bottom Layer-No Net" (solid, pour order 12): 109.982,175.895 140.495,175.895 140.5,175.9 140.5,76.5 109.936,76.5 109.855,76.581
DGND on Bottom Layer "Bottom Layer-No Net" (solid, pour order 10): 51.1,175.9 140.5,175.9 140.5,76.5 51.1,76.5

## Keep-outs
Keep-Out Layer:
  lines w0.3: 51.1,76.5 51.1,175.9 140.5,175.9 140.5,76.5 51.1,76.5

## Other copper
Top Layer:
  rectangle net PWM1: 101.854,171.958 108.077,175.514
  rectangle net 3.3V: 106.532,119.328 112.522,120.015

## Silkscreen, mask and mechanical layers (free items; w line width, h text height)
Top Overlay:
  text "PWM" at 98.679,166.497 h2.52
  text "DAC" at 106.299,166.497 h2.52
  text "Si-β / 测试板" at 100.203,147.828 h5.52
  text "STM32功能： / Flash读写 / TF Card / TFT-LCD / 加速度传感器 / 蜂鸣器 / 温度传感器" at 53.34,140.716 h2.52
  text "设计人：朱彦臻" at 52.07,132.334 h5.52
Bottom Overlay:
  drawing of 639 lines, arcs and shapes, not listed
Top Solder:
  rectangle: 101.854,171.958 108.077,175.514
Bottom Solder:
  rectangle: 51.435,76.835 53.721,97.79
Drill Drawing:
  text ".LEGEND" at 145.88,81.28 h1.52
  text "Drill Drawing." at 145.88,78.74 h1.52

## Dimensions
51.1,76.5 to 51.1,175.9 on Mechanical 1
51.1,76.5 to 140.5,76.5 on Mechanical 1

## Text inside footprints (layer, text, board x,y; h text height)
OV7725: Bottom Overlay "20" at 66.294,141.224 h1.27; Bottom Overlay "19" at 66.294,138.684 h1.27; Bottom Overlay "1" at 93.218,138.684 h1.27; Bottom Overlay "2" at 93.218,141.224 h1.27
P1: Top Overlay "6" at 117.602,111.379 h1.27 r90; Top Overlay "5" at 120.142,111.379 h1.27 r90; Top Overlay "2" at 117.602,102.235 h1.27 r90; Top Overlay "1" at 120.142,102.743 h1.27 r90
P8: Top Overlay "3" at 112.141,139.446 h1.27 r90; Top Overlay "4" at 109.601,139.446 h1.27 r90; Top Overlay "2" at 109.601,132.842 h1.27 r90; Top Overlay "1" at 112.141,133.35 h1.27 r90
TFT_LCD1: Top Overlay "2" at 102.235,79.629 h1.27 r180; Top Overlay "1" at 102.235,82.169 h1.27 r180; Top Overlay "33" at 57.023,82.169 h1.27 r180; Top Overlay "34" at 57.023,79.629 h1.27 r180